# Altium PCB PCB.PcbDoc (part 2 of 2)
Units mm, origin at the board's own origin, x right, y up, seen from the top; angles counter-clockwise.
Board outline 303.55 x 94.72 mm, 2 copper layers (Top Layer, Bottom Layer), stack 1.57 mm thick; 199 components, 122 nets, 721 pads, 155 vias.
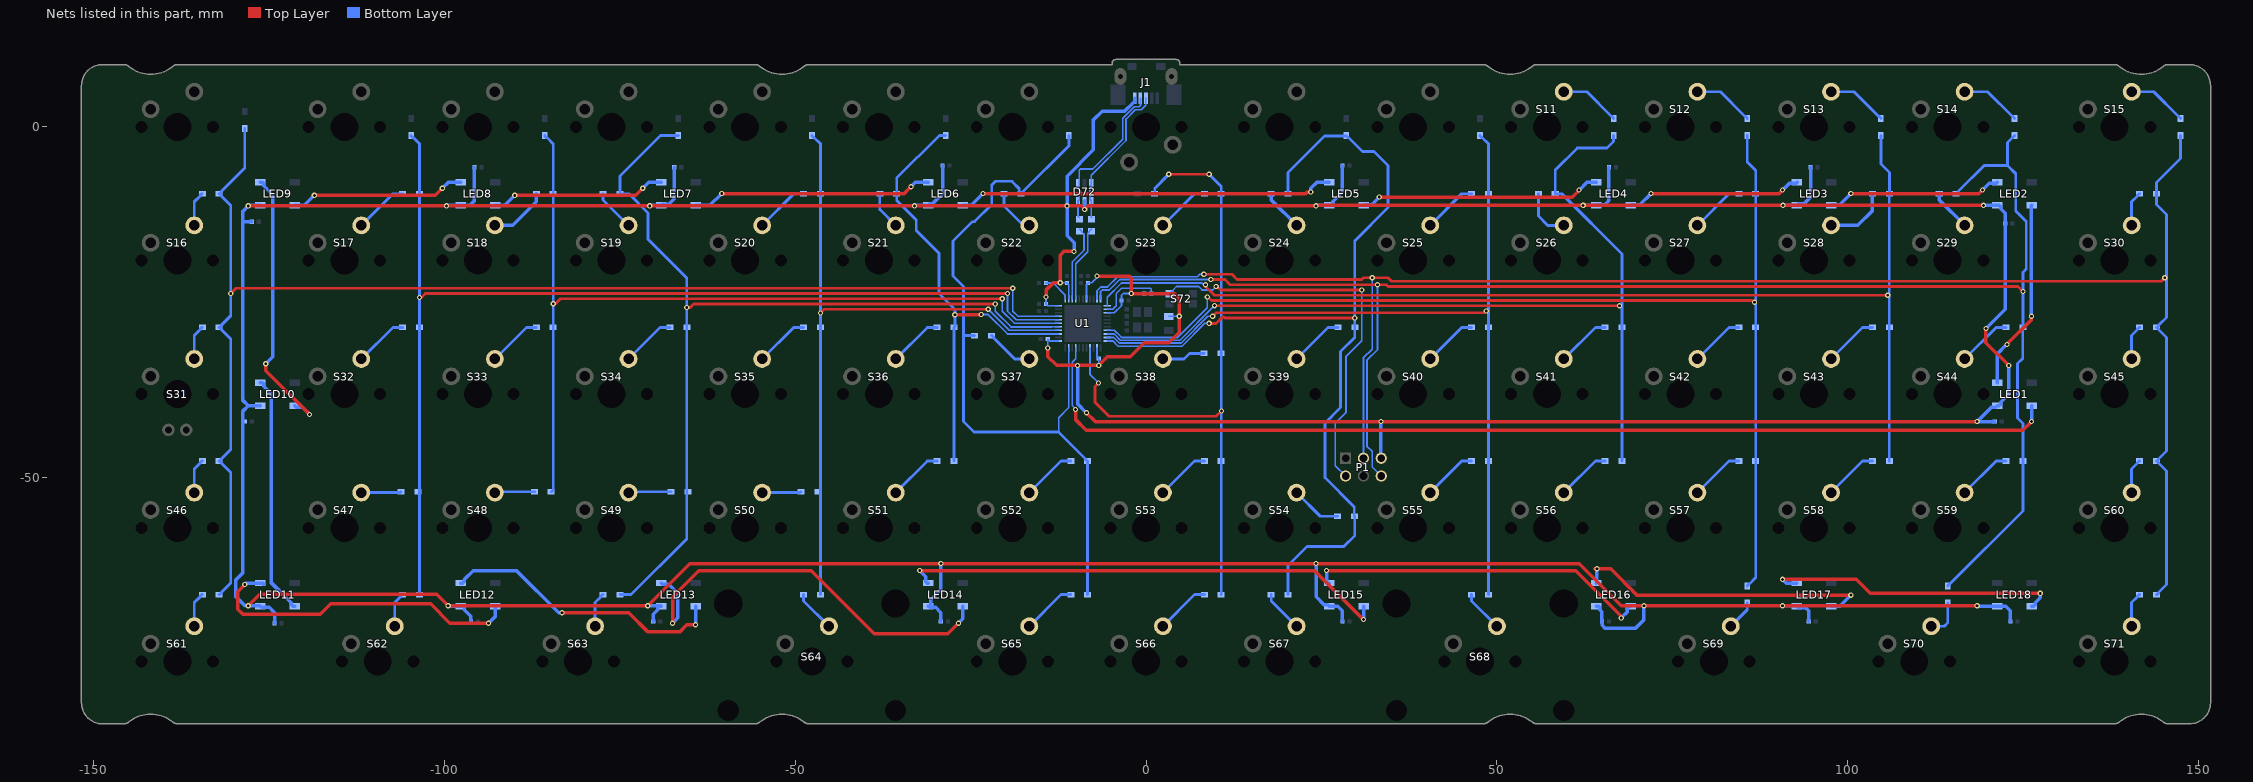
[diagram p2: the nets of this part, all layers, seen from the top]

## Via types
v1: diameter 0.75, hole 0.4, Top Layer to Bottom Layer, 139 vias
v2: diameter 0.7, hole 0.3, Top Layer to Bottom Layer, 16 vias

## Nets (pads, with @x,y where several pads share a name; then routed paths per layer and width w, separated by ;. In a path a pad name is that pad's centre, name@x,y a point inside that pad or via, vN(x,y) a via of type N, cw(c..) or ccw(c..) an arc to the next point about the centre after c; other vN are vias at no path point) (continued)
NetD11_1: D11.1 S11.2 | length 8.7
  Bottom Layer w0.4: S11.2@59.569,5.021 62.854,5.021 66.375,1.5 66.475,1.5 66.675,1.3 D11.1@66.675,1.2
NetD12_1: D12.1 S12.2 | length 8.7
  Bottom Layer w0.4: S12.2@78.619,5.021 81.904,5.021 85.425,1.5 85.525,1.5 85.725,1.3 D12.1@85.725,1.2
NetD13_1: D13.1 S13.2 | length 8.7
  Bottom Layer w0.4: S13.2@97.669,5.021 100.954,5.021 104.475,1.5 104.575,1.5 104.775,1.3 D13.1@104.775,1.2
NetD14_1: D14.1 S14.2 | length 8.7
  Bottom Layer w0.4: S14.2@116.719,5.021 120.004,5.021 123.525,1.5 123.625,1.5 123.825,1.3 D14.1@123.825,1.2
NetD15_1: D15.1 S15.2 | length 8.6
  Bottom Layer w0.4: S15.2@140.531,5.021 143.679,5.021 147.2,1.5 147.3,1.5 147.5,1.3 D15.1@147.5,1.2
NetD16_1: D16.1 S16.2 | length 5
  Bottom Layer w0.4: S16.2@-135.694,-14.029 -135.694,-10.669 -134.85,-9.825 -134.85,-9.725 -134.65,-9.525 D16.1@-134.55,-9.525
NetD17_1: D17.1 S17.2 | length 7.8
  Bottom Layer w0.4: S17.2@-111.881,-14.029 -107.377,-9.525 D17.1@-105.975,-9.525
NetD18_1: D18.1 S18.2 | length 8.4
  Bottom Layer w0.5: S18.2@-92.831,-14.029 -90.279,-14.029 -86.925,-10.675 D18.1@-86.925,-9.525
NetD19_1: D19.1 S19.2 | length 6
  Bottom Layer w0.4: D19.1@-77.4,-9.525 -77.4,-10.41 S19.2@-73.781,-14.029
NetD20_1: D20.1 S20.2 | length 7.8
  Bottom Layer w0.4: S20.2@-54.731,-14.029 -50.227,-9.525 D20.1@-48.825,-9.525
NetD21_1: D21.1 S21.2 | length 5.5
  Bottom Layer w0.4: D21.1@-37.95,-9.5 -37.95,-11.76 S21.2@-35.681,-14.029
NetD22_1: D22.1 S22.2 | length 6.5
  Bottom Layer w0.4: D22.1@-20.25,-9.525 -20.25,-11.25 -17.88,-13.62 -17.041,-13.62 S22.2@-16.631,-14.029
NetD23_1: D23.1 S23.2 | length 7.8
  Bottom Layer w0.4: S23.2@2.419,-14.029 6.923,-9.525 D23.1@8.325,-9.525
NetD24_1: D24.1 S24.2 | length 6
  Bottom Layer w0.5: D24.1@17.85,-9.525 17.85,-10.41 S24.2@21.469,-14.029
NetD25_1: D25.1 S25.2 | length 7.8
  Bottom Layer w0.4: S25.2@40.519,-14.029 45.023,-9.525 D25.1@46.425,-9.525
NetD26_1: D26.1 S26.2 | length 7.3
  Bottom Layer w0.4: D26.1@55.95,-9.525 55.95,-12.7 57.279,-14.029 S26.2@59.569,-14.029
NetD27_1: D27.1 S27.2 | length 7.8
  Bottom Layer w0.4: S27.2@78.619,-14.029 83.123,-9.525 D27.1@84.525,-9.525
NetD28_1: D28.1 S28.2 | length 9.2
  Bottom Layer w0.5: S28.2@97.669,-14.029 101.471,-14.029 103.575,-11.925 D28.1@103.575,-9.525
NetD29_1: D29.1 S29.2 | length 6
  Bottom Layer w0.5: D29.1@113.1,-9.525 113.1,-10.41 S29.2@116.719,-14.029
NetD30_1: D30.1 S30.2 | length 5
  Bottom Layer w0.4: S30.2@140.531,-14.029 140.531,-10.669 141.375,-9.825 141.375,-9.725 141.575,-9.525 D30.1@141.675,-9.525
NetD31_1: D31.1 S31.2 | length 5
  Bottom Layer w0.4: S31.2@-135.694,-33.079 -135.694,-29.719 -134.85,-28.875 -134.85,-28.775 -134.65,-28.575 D31.1@-134.55,-28.575
NetD32_1: D32.1 S32.2 | length 7.8
  Bottom Layer w0.4: S32.2@-111.881,-33.079 -107.377,-28.575 D32.1@-105.975,-28.575
NetD33_1: D33.1 S33.2 | length 7.8
  Bottom Layer w0.4: S33.2@-92.831,-33.079 -88.327,-28.575 D33.1@-86.925,-28.575
NetD34_1: D34.1 S34.2 | length 7.8
  Bottom Layer w0.4: S34.2@-73.781,-33.079 -69.277,-28.575 D34.1@-67.875,-28.575
NetD35_1: D35.1 S35.2 | length 7.8
  Bottom Layer w0.4: S35.2@-54.731,-33.079 -50.227,-28.575 D35.1@-48.825,-28.575
NetD36_1: D36.1 S36.2 | length 7.8
  Bottom Layer w0.4: S36.2@-35.681,-33.079 -31.177,-28.575 D36.1@-29.775,-28.575
NetD37_1: D37.1 S37.2 | length 6.9
  Bottom Layer w0.4: D37.1@-22.05,-29.75 -21.95,-29.75 -21.75,-29.95 -21.75,-30.05 -18.721,-33.079 S37.2@-16.631,-33.079
NetD38_1: D38.1 S38.2 | length 6.2
  Bottom Layer w0.4: S38.2@2.419,-33.079 5.421,-33.079 6.197,-32.303 8.247,-32.303 D38.1@8.3,-32.25
NetD39_1: D39.1 S39.2 | length 7.8
  Bottom Layer w0.4: S39.2@21.469,-33.079 25.973,-28.575 D39.1@27.375,-28.575
NetD40_1: D40.1 S40.2 | length 7.8
  Bottom Layer w0.4: S40.2@40.519,-33.079 45.023,-28.575 D40.1@46.425,-28.575
NetD41_1: D41.1 S41.2 | length 7.8
  Bottom Layer w0.4: S41.2@59.569,-33.079 64.073,-28.575 D41.1@65.475,-28.575
NetD42_1: D42.1 S42.2 | length 7.8
  Bottom Layer w0.4: S42.2@78.619,-33.079 83.123,-28.575 D42.1@84.525,-28.575
NetD43_1: D43.1 S43.2 | length 7.8
  Bottom Layer w0.4: S43.2@97.669,-33.079 102.173,-28.575 D43.1@103.575,-28.575
NetD44_1: D44.1 S44.2 | length 7.8
  Bottom Layer w0.4: S44.2@116.719,-33.079 121.223,-28.575 D44.1@122.625,-28.575
NetD45_1: D45.1 S45.2 | length 5
  Bottom Layer w0.4: S45.2@140.531,-33.079 140.531,-29.719 141.375,-28.875 141.375,-28.775 141.575,-28.575 D45.1@141.675,-28.575
NetD46_1: D46.1 S46.2 | length 5
  Bottom Layer w0.4: S46.2@-135.694,-52.129 -135.694,-48.769 -134.85,-47.925 -134.85,-47.825 -134.65,-47.625 D46.1@-134.55,-47.625
NetD47_1: D47.1 S47.2 | length 5.7
  Bottom Layer w0.4: S47.2@-111.881,-52.129 -106.329,-52.129 D47.1@-106.2,-52
NetD48_1: D48.1 S48.2 | length 5.7
  Bottom Layer w0.4: S48.2@-92.831,-52.129 -92.702,-52 D48.1@-87.2,-52
NetD49_1: D49.1 S49.2 | length 6.1
  Bottom Layer w0.4: S49.2@-73.781,-52.129 -73.652,-52 D49.1@-67.7,-52
NetD50_1: D50.1 S50.2 | length 5.6
  Bottom Layer w0.4: S50.2@-54.731,-52.129 -49.329,-52.129 D50.1@-49.2,-52
NetD51_1: D51.1 S51.2 | length 7.8
  Bottom Layer w0.4: S51.2@-35.681,-52.129 -31.177,-47.625 D51.1@-29.775,-47.625
NetD52_1: D52.1 S52.2 | length 7.8
  Bottom Layer w0.4: S52.2@-16.631,-52.129 -12.127,-47.625 D52.1@-10.725,-47.625
NetD53_1: D53.1 S53.2 | length 7.8
  Bottom Layer w0.4: S53.2@2.419,-52.129 6.923,-47.625 D53.1@8.325,-47.625
NetD54_1: D54.1 S54.2 | length 7.2
  Bottom Layer w0.4: S54.2@21.469,-52.129 24.84,-55.5 D54.1@27.3,-55.5
NetD55_1: D55.1 S55.2 | length 7.8
  Bottom Layer w0.4: S55.2@40.519,-52.129 45.023,-47.625 D55.1@46.425,-47.625
NetD56_1: D56.1 S56.2 | length 7.8
  Bottom Layer w0.4: S56.2@59.569,-52.129 64.073,-47.625 D56.1@65.475,-47.625
NetD57_1: D57.1 S57.2 | length 7.8
  Bottom Layer w0.4: S57.2@78.619,-52.129 83.123,-47.625 D57.1@84.525,-47.625
NetD58_1: D58.1 S58.2 | length 7.8
  Bottom Layer w0.4: S58.2@97.669,-52.129 102.173,-47.625 D58.1@103.575,-47.625
NetD59_1: D59.1 S59.2 | length 7.8
  Bottom Layer w0.4: S59.2@116.719,-52.129 121.223,-47.625 D59.1@122.625,-47.625
NetD60_1: D60.1 S60.2 | length 5
  Bottom Layer w0.4: S60.2@140.531,-52.129 140.531,-48.769 141.375,-47.925 141.375,-47.825 141.575,-47.625 D60.1@141.675,-47.625
NetD61_1: D61.1 S61.2 | length 5
  Bottom Layer w0.4: S61.2@-135.694,-71.179 -135.694,-67.819 -134.85,-66.975 -134.85,-66.875 -134.65,-66.675 D61.1@-134.55,-66.675
NetD62_1: D62.1 S62.2 | length 5
  Bottom Layer w0.4: S62.2@-107.119,-71.179 -107.119,-67.819 -106.275,-66.975 -106.275,-66.875 -106.075,-66.675 D62.1@-105.975,-66.675
NetD63_1: D63.1 S63.2 | length 5
  Bottom Layer w0.4: S63.2@-78.544,-71.179 -78.544,-67.819 -77.7,-66.975 -77.7,-66.875 -77.5,-66.675 D63.1@-77.4,-66.675
NetD64_1: D64.1 S64.2 | length 6
  Bottom Layer w0.4: D64.1@-48.825,-66.675 -48.825,-67.56 S64.2@-45.206,-71.179
NetD65_1: D65.1 S65.2 | length 7.8
  Bottom Layer w0.4: S65.2@-16.631,-71.179 -12.127,-66.675 D65.1@-10.725,-66.675
NetD66_1: D66.1 S66.2 | length 7.8
  Bottom Layer w0.4: S66.2@2.419,-71.179 6.923,-66.675 D66.1@8.325,-66.675
NetD67_1: D67.1 S67.2 | length 6
  Bottom Layer w0.4: D67.1@17.85,-66.675 17.85,-67.56 S67.2@21.469,-71.179
NetD68_1: D68.1 S68.2 | length 6
  Bottom Layer w0.4: D68.1@46.425,-66.675 46.425,-67.56 S68.2@50.044,-71.179
NetD69_1: D69.1 S69.2 | length 4.3
  Bottom Layer w0.4: S69.2@83.381,-71.179 85.725,-68.836 D69.1@85.725,-67.875
NetD70_1: D70.1 S70.2 | length 5.4
  Bottom Layer w0.4: S70.2@111.956,-71.179 113.821,-71.179 114.3,-70.7 D70.1@114.3,-67.875
NetD71_1: D71.1 S71.2 | length 5
  Bottom Layer w0.4: S71.2@140.531,-71.179 140.531,-67.819 141.375,-66.975 141.375,-66.875 141.575,-66.675 D71.1@141.675,-66.675
NetLED1_2: LED1.2 LED2.4 | length 27.3
  Top Layer w0.5: v1(122.75,-31) 126.25,-27.5 v1(126.25,-27)
  Bottom Layer w0.5: LED1.2@121.375,-36.45 121.375,-32.375 v1(122.75,-31) ; v1(126.25,-27) 126.25,-11.2 LED2.4@126.275,-11.175
NetLED2_2: LED2.2 LED3.4 | length 25
  Top Layer w0.5: v1(100.5,-9.5) 118.75,-9.5 v1(119.25,-9)
  Bottom Layer w0.5: LED3.4@97.7,-11.175 97.768,-11.107 98.893,-11.107 v1(100.5,-9.5) ; v1(119.25,-9) 120.245,-8.005 121.245,-8.005 LED2.2@121.375,-7.875
NetLED3_2: LED3.2 LED4.4 | length 25
  Top Layer w0.5: v1(72,-9.5) 90.25,-9.5 v1(90.75,-9)
  Bottom Layer w0.5: LED4.4@69.2,-11.175 69.268,-11.107 70.393,-11.107 v1(72,-9.5) ; v1(90.75,-9) 91.745,-8.005 92.745,-8.005 LED3.2@92.875,-7.875
NetLED4_2: LED4.2 LED5.4 | length 34.6
  Top Layer w0.5: v1(33.25,-10) 60.75,-10 v1(61.75,-9)
  Bottom Layer w0.5: LED5.4@31.025,-11.175 31.13,-11.07 32.18,-11.07 v1(33.25,-10) ; v1(61.75,-9) 62.875,-7.875 LED4.2@64.225,-7.875
NetLED5_2: LED5.2 LED6.4 | length 53.9
  Top Layer w0.5: v1(-23.25,-9.5) 22.75,-9.5 22.927,-9.323 23.452,-9.323 v1(23.5,-9.275)
  Bottom Layer w0.5: LED6.4@-26.125,-11.175 -26.118,-11.168 -24.918,-11.168 v1(-23.25,-9.5) ; v1(23.5,-9.275) 23.5,-8.75 24.375,-7.875 LED5.2@26.125,-7.875
NetLED6_2: LED6.2 LED7.4 | length 34.6
  Top Layer w0.5: v1(-60.5,-9.5) -34.5,-9.5 -33.525,-8.525 v1(-33.5,-8.525)
  Bottom Layer w0.5: LED7.4@-64.225,-11.175 -62.175,-11.175 v1(-60.5,-9.5) ; v1(-33.5,-8.525) -33.5,-8.5 -32.875,-7.875 LED6.2@-31.025,-7.875
NetLED7_2: LED7.2 LED8.4 | length 25
  Top Layer w0.5: v1(-90,-9.75) -72.75,-9.75 v1(-71.75,-8.75)
  Bottom Layer w0.5: LED8.4@-92.8,-11.175 -91.425,-11.175 v1(-90,-9.75) ; v1(-71.75,-8.75) -70.875,-7.875 LED7.2@-69.125,-7.875
NetLED8_2: LED8.2 LED9.4 | length 25
  Top Layer w0.5: v1(-118.575,-9.75) -101.325,-9.75 v1(-100.325,-8.75)
  Bottom Layer w0.5: LED9.4@-121.375,-11.175 -120,-11.175 v1(-118.575,-9.75) ; v1(-100.325,-8.75) -99.45,-7.875 LED8.2@-97.7,-7.875
NetLED9_2: LED9.2 LED10.4 | length 39.7
  Top Layer w0.5: v1(-125.5,-33.75) -125.5,-34.75 v1(-119.25,-41)
  Bottom Layer w0.5: LED9.2@-126.275,-7.875 -125.975,-7.875 -125.775,-8.075 -125.775,-8.375 -124.5,-9.65 -124.5,-32.75 v1(-125.5,-33.75) ; LED10.4@-121.375,-39.75 -121.182,-39.943 -120.307,-39.943 v1(-119.25,-41)
NetLED10_2: LED10.2 LED11.4 | length 34.3
  Bottom Layer w0.5: LED10.2@-126.275,-36.45 -125.975,-36.45 -125.775,-36.65 -125.775,-36.95 -124.75,-37.975 -124.75,-64.95 -121.875,-67.825 -121.875,-68.125 -121.675,-68.325 LED11.4@-121.375,-68.325
NetLED11_2: LED11.2 LED12.4 | length 47.5
  Top Layer w0.5: v1@-128.5,-65.25 -129.5,-66.25 -129.5,-68.75 -128.75,-69.5 -117.75,-69.5 -116.25,-68 -102,-68 -99.25,-70.75 v1(-93.75,-70.75)
  Bottom Layer w0.5: v1@-128.5,-65.25 -128.275,-65.025 LED11.2@-126.275,-65.025 -125.975,-65.025 LED11.2@-125.775,-65.225 ; v1(-93.75,-70.75) -92.8,-69.8 LED12.4@-92.8,-68.325
  other v1: -128.493,-65.243
NetLED12_2: LED12.2 LED13.4 | length 41.1
  Top Layer w0.5: v1(-83.25,-69.25) -73.75,-69.25 -71,-72 -66.5,-72 -65.475,-70.975 v1(-64.225,-70.975)
  Bottom Layer w0.5: LED12.2@-97.7,-65.025 -97.4,-65.025 -97.2,-64.825 -97.2,-64.525 -95.925,-63.25 -89.75,-63.25 -83.75,-69.25 v1(-83.25,-69.25) ; v1(-64.225,-70.975) LED13.4@-64.225,-68.325
NetLED13_2: LED13.2 LED14.4 | length 60.6
  Top Layer w0.5: v1(-67.5,-70.75) -67.5,-67 -63.75,-63.25 -47.75,-63.25 -38.75,-72.25 -28.25,-72.25 v1(-26.75,-70.75)
  Bottom Layer w0.5: LED13.2@-69.125,-65.025 -68.945,-65.205 -68.045,-65.205 -66.75,-66.5 -66.75,-70 v1(-67.5,-70.75) ; v1(-26.75,-70.75) -26.125,-70.125 LED14.4@-26.125,-68.325
NetLED14_2: LED14.2 LED15.4 | length 70.5
  Top Layer w0.5: v1(-32.25,-63.25) 24.025,-63.25 v1(31.013,-70.237)
  Bottom Layer w0.5: v1(-32.25,-63.25) -31.38,-64.12 -31.38,-64.825 -31.18,-65.025 LED14.2@-31.025,-65.025 ; v1@31,-70.25 v1(31.013,-70.237) 31.025,-70.225 LED15.4@31.025,-68.325
NetLED15_2: LED15.2 LED16.4 | length 49.4
  Top Layer w0.5: v1(25.75,-63.25) 61.25,-63.25 67.702,-69.702 67.702,-69.952 v1(67.75,-70)
  Bottom Layer w0.5: v1(25.75,-63.25) 25.75,-64.825 25.95,-65.025 LED15.2@26.125,-65.025 ; v1(67.75,-70) 68.645,-69.105 68.645,-68.525 68.845,-68.325 LED16.4@69.125,-68.325
NetLED16_2: LED16.2 LED17.4 | length 43.6
  Top Layer w0.5: v1@64,-63 v1(64.294,-63) 66.25,-63 70,-66.75 v1(100.5,-66.75)
  Bottom Layer w0.5: LED16.2@64.225,-65.025 64.294,-64.956 v1(64.294,-63) ; LED17.4@97.7,-68.325 98.925,-68.325 v1(100.5,-66.75)
NetLED17_2: LED17.2 LED18.4 | length 42.4
  Top Layer w0.5: v1(90.75,-64.5) 101.25,-64.5 103.25,-66.5 v1(127.5,-66.5)
  Bottom Layer w0.5: v1(90.75,-64.5) 91.275,-65.025 LED17.2@92.8,-65.025 ; LED18.4@126.275,-68.325 126.575,-68.325 126.775,-68.125 126.775,-67.825 127.5,-67.1 v1(127.5,-66.5)
NetR4_1: R4.1 U1.1 | length 4
  Bottom Layer w0.25: R4.1@-14.25,-22.25 -13.25,-22.25 -11.5,-24 U1.1@-11.5,-24.525
R0: D1.2 D16.2 D31.2 D46.2 D61.2 U1.41 | length 194.1
  Top Layer w0.4: v1(-130.5,-23.733) -129.767,-23 v1(-19,-23)
  Bottom Layer w0.25: v1(-19,-23) -19,-26.25 -18.25,-27 U1.41@-12.475,-27
  Bottom Layer w0.4: D61.2@-132.15,-66.675 -132.05,-66.675 -131.85,-66.475 -131.85,-66.375 -130.5,-65.025 -130.5,-49.275 -131.85,-47.925 -131.85,-47.825 D46.2@-132.05,-47.625 ; D46.2@-132.15,-47.625 D46.2@-132.05,-47.625 ; D31.2@-132.15,-28.575 D31.2@-132.05,-28.575 ; D16.2@-132.15,-9.525 D16.2@-132.05,-9.525 ; D1.2@-128.5,-0.2 -128.5,-5.875 -131.85,-9.225 -131.85,-9.325 D16.2@-132.05,-9.525 ; D46.2@-132.05,-47.625 -131.85,-47.425 -131.85,-47.325 -130.5,-45.975 -130.5,-30.225 -131.85,-28.875 -131.85,-28.775 D31.2@-132.05,-28.575 ; D31.2@-132.05,-28.575 -131.85,-28.375 -131.85,-28.275 -130.5,-26.925 v1(-130.5,-23.733) -130.5,-11.175 -131.85,-9.825 -131.85,-9.725 D16.2@-132.05,-9.525
R1: D2.2 D17.2 D32.2 D47.2 D62.2 U1.40 | length 160.4
  Top Layer w0.4: v1(-103.575,-24.324) -103.324,-24.324 -102.75,-23.75 v1(-19.75,-23.75)
  Bottom Layer w0.25: v1(-19.75,-23.75) -19.75,-26.25 -18.5,-27.5 U1.40@-12.475,-27.5
  Bottom Layer w0.4: D2.2@-104.775,-1.2 -104.775,-1.3 -104.575,-1.5 -104.475,-1.5 -103.575,-2.4 D17.2@-103.575,-9.525 v1(-103.575,-24.324) D32.2@-103.575,-28.575 -103.575,-47.625 -103.575,-54.5 D62.2@-103.575,-66.675
R2: D3.2 D18.2 D33.2 D48.2 U1.39 | length 126.3
  Top Layer w0.4: v1(-84.525,-25.208) -84.208,-25.208 -83.5,-24.5 v1(-20.5,-24.5)
  Bottom Layer w0.25: v1(-20.5,-24.5) -20.5,-26.25 -18.75,-28 U1.39@-12.475,-28
  Bottom Layer w0.4: D3.2@-85.725,-1.2 -85.725,-1.3 -85.525,-1.5 -85.425,-1.5 -84.525,-2.4 D18.2@-84.525,-9.525 v1(-84.525,-25.208) D33.2@-84.525,-28.575 -84.525,-51.8 -84.725,-52 D48.2@-84.8,-52
R3: D4.2 D19.2 D34.2 D49.2 D63.2 U1.38 | length 135.1
  Top Layer w0.4: v1(-65.475,-25.732) -64.982,-25.732 -64.5,-25.25 v1(-21.5,-25.25)
  Bottom Layer w0.25: v1(-21.5,-25.25) -21.5,-26.25 -19.242,-28.508 -13.442,-28.508 -13.434,-28.5 U1.38@-12.475,-28.5
  Bottom Layer w0.4: D63.2@-75,-66.675 -73.425,-66.675 -65.475,-58.725 -65.475,-53 -65.475,-47.625 D34.2@-65.475,-28.575 v1(-65.475,-25.732) -65.475,-21.525 -71,-16 -71,-12.25 -73.725,-9.525 D19.2@-75,-9.525 -75,-7 -69.2,-1.2 D4.2@-66.675,-1.2
R4: D5.2 D20.2 D35.2 D50.2 D64.2 U1.37 | length 101.4
  Top Layer w0.4: v1(-46.425,-26.525) -45.9,-26 v1(-22.5,-26)
  Bottom Layer w0.25: v1(-22.5,-26) -19.5,-29 U1.37@-12.475,-29
  Bottom Layer w0.4: D5.2@-47.625,-1.2 -47.625,-1.3 -47.425,-1.5 -47.325,-1.5 -46.425,-2.4 D20.2@-46.425,-9.525 v1(-46.425,-26.525) D35.2@-46.425,-28.575 -46.425,-47.625 -46.425,-54 D64.2@-46.425,-66.675
R5: D6.2 D21.2 D36.2 D51.2 U1.36 | length 69.2
  Top Layer w0.5: v1(-27.25,-26.768) -27.232,-26.75 v1(-23.5,-26.75)
  Bottom Layer w0.25: v1(-23.5,-26.75) -22.5,-26.75 -19.75,-29.5 U1.36@-12.475,-29.5
  Bottom Layer w0.4: D6.2@-28.575,-1.2 -29.45,-1.2 -35.55,-7.3 D21.2@-35.55,-9.5 -35.55,-10.45 -32.75,-13.25 -32.75,-14.75 -29.5,-18 -29.5,-23.75 -27.25,-26 v1(-27.25,-26.768) -27.25,-28.45 D36.2@-27.375,-28.575 D51.2@-27.375,-47.625
R6: D7.2 D22.2 D37.2 D52.2 D65.2 U1.32 | length 106.6
  Bottom Layer w0.25: -12.45,-43.5 -12.45,-41.45 -11,-40 U1.32@-11,-31.475
  Bottom Layer w0.4: D37.2@-24.45,-29.75 -25.943,-29.75 -26,-29.693 ; D7.2@-11,-1.2 -11,-2.675 -17.55,-9.225 -17.55,-9.325 -18.074,-9.325 -18.074,-8.801 -19.125,-7.75 -21.5,-7.75 -22,-8.25 -22,-11.062 -24.438,-13.5 -24.75,-13.5 -27.5,-16.25 -27.5,-21.25 -26,-22.75 -26,-29.693 ; D65.2@-8.325,-66.675 D52.2@-8.325,-47.625 -8.425,-47.625 -8.625,-47.425 -8.625,-47.325 -12.45,-43.5 -24.5,-43.5 -26,-42 -26,-29.693
R7: D8.2 D23.2 D38.2 D53.2 D66.2 U1.26 | length 97.8
  Top Layer w0.4: v1(-6.758,-36.5) -7.25,-36.992 -7.25,-39.258 -5.258,-41.25 10,-41.25 v1(10.75,-40.5) ; v1(3.25,-6.75) v1(9,-6.75)
  Bottom Layer w0.25: U1.26@-8,-31.475 -8,-35.258 v1(-6.758,-36.5)
  Bottom Layer w0.4: D8.2@1.2,-9.525 1.241,-9.484 1.241,-8.759 v1(3.25,-6.75) ; v1(9,-6.75) 10.725,-8.475 D23.2@10.725,-9.525 D38.2@10.725,-32.25 ; D38.2@10.7,-32.25 D38.2@10.725,-32.25 ; D66.2@10.725,-66.675 D53.2@10.725,-47.625 D38.2@10.725,-32.25 ; D38.2@10.8,-32.25 D38.2@10.725,-32.25
R8: D9.2 D24.2 D39.2 D54.2 D67.2 U1.22 | length 132.3
  Top Layer w0.4: v1(9,-28) 10,-28 10.95,-27.05 11.05,-27.05 11.25,-27.25 v1(29.75,-27.25)
  Bottom Layer w0.25: U1.22@-5.525,-30.5 -4.75,-30.5 -4,-31.25 5.131,-31.25 8.381,-28 v1(9,-28)
  Bottom Layer w0.4: D67.2@20.25,-66.675 20.25,-62.5 22.951,-59.799 28.201,-59.799 29.775,-58.225 29.775,-55.5 D54.2@29.7,-55.5 29.7,-54.2 25.5,-50 25.5,-42.25 27.75,-40 27.75,-32 29.775,-29.975 D39.2@29.775,-28.575 29.775,-16.225 34.5,-11.5 34.5,-5.5 32.5,-3.5 30.875,-3.5 28.875,-1.5 28.775,-1.5 28.575,-1.3 25.45,-1.3 20.25,-6.5 D24.2@20.25,-9.525
R9: D10.2 D25.2 D40.2 D55.2 D68.2 U1.21 | length 122.3
  Top Layer w0.4: v1(9.5,-27) 10,-26.5 48.155,-26.5 48.405,-26.25 v1(48.5,-26.25)
  Bottom Layer w0.25: U1.21@-5.525,-30 -4.631,-30 -3.831,-30.8 5.016,-30.8 8.816,-27 v1(9.5,-27)
  Bottom Layer w0.4: D10.2@47.625,-1.2 47.625,-1.3 47.825,-1.5 47.925,-1.5 48.825,-2.4 D25.2@48.825,-9.525 D40.2@48.825,-28.575 D55.2@48.825,-47.625 D68.2@48.825,-66.675
R10: D11.2 D26.2 D41.2 D56.2 U1.20 | length 132.3
  Top Layer w0.4: v1(9.75,-25.475) 9.775,-25.5 v1(67.5,-25.5)
  Bottom Layer w0.25: U1.20@-5.525,-29.5 -4.566,-29.5 -3.666,-30.4 4.85,-30.4 9.75,-25.5 v1(9.75,-25.475)
  Bottom Layer w0.4: D11.2@66.675,-1.2 66.675,-2.075 65.75,-3 61.5,-3 58.35,-6.15 D26.2@58.35,-9.525 59.275,-9.525 67.875,-18.125 D41.2@67.875,-28.575 D56.2@67.875,-47.625
R11: D12.2 D27.2 D42.2 D57.2 D69.2 U1.19 | length 161.6
  Top Layer w0.4: v1(8.75,-24.25) 8.845,-24.25 9.345,-24.75 86.405,-24.75 86.655,-25 v1(86.75,-25)
  Bottom Layer w0.25: U1.19@-5.525,-29 -4.5,-29 -3.5,-30 4.5,-30 8.75,-25.75 v1(8.75,-24.25)
  Bottom Layer w0.4: D69.2@85.725,-65.475 85.725,-65.375 85.925,-65.175 86.025,-65.175 86.925,-64.275 D57.2@86.925,-47.625 D42.2@86.925,-28.575 D27.2@86.925,-9.525 86.925,-6.175 85.725,-4.975 D12.2@85.725,-1.2
R12: D13.2 D28.2 D43.2 D58.2 U1.12 | length 161.2
  Top Layer w0.4: v1(8.5,-22.5) 8.567,-22.567 8.567,-22.817 9.75,-24 v1(105.75,-24)
  Bottom Layer w0.25: U1.12@-5.525,-25.5 -5.525,-24.275 -3.5,-22.25 7.99,-22.25 8.144,-22.404 8.404,-22.404 v1(8.5,-22.5)
  Bottom Layer w0.4: D13.2@104.775,-1.2 104.775,-5.275 106,-6.5 106,-9.5 D28.2@105.975,-9.525 D43.2@105.975,-28.575 D58.2@105.975,-47.625
R13: D14.2 D29.2 D44.2 D59.2 D70.2 P1.6 U1.11 | length 243
  Top Layer w0.4: v1(9.25,-21.75) 11.25,-21.75 12,-22.5 32.655,-22.5 v1(33,-22.5) 34.25,-22.5 34.5,-22.75 124.306,-22.75 v1(125.025,-23.469)
  Bottom Layer w0.25: U1.11@-6.5,-24.525 -6.5,-23.5 -6.25,-23.25 -5.25,-23.25 -3.75,-21.75 v1(9.25,-21.75) ; v1(33,-22.5) 33,-31.75 31.5,-33.25 31.5,-45.5 32.25,-46.25 32.25,-48.48 P1.6@33.54,-49.77
  Bottom Layer w0.4: D70.2@114.3,-65.475 114.3,-65.375 114.5,-65.175 114.6,-65.175 125.025,-54.75 D59.2@125.025,-47.625 125.025,-42.275 124.25,-41.5 124.25,-33.75 125,-33 125,-28.6 D44.2@125.025,-28.575 v1(125.025,-23.469) 125.025,-20.725 125.5,-20.25 125.5,-13.5 124,-12 124,-6.679 122.821,-5.5 ; D29.2@115.5,-9.525 115.6,-9.525 115.8,-9.325 115.8,-9.225 119.525,-5.5 122.821,-5.5 ; D14.2@123.825,-1.2 123.825,-1.3 123.625,-1.5 123.525,-1.5 122.821,-2.204 122.821,-5.5
R14: D15.2 D30.2 D45.2 D60.2 D71.2 P1.3 U1.10 | length 252.1
  Top Layer w0.4: v1(8.25,-21) 12.25,-21 13,-21.75 30.75,-21.75 31,-21.5 v1(32.25,-21.5) 34.5,-21.5 35,-22 144.75,-22 v1(145.25,-21.5)
  Bottom Layer w0.25: U1.10@-7,-24.525 -7,-23.381 -6.434,-22.816 -5.5,-22.816 -4.034,-21.35 7.34,-21.35 7.69,-21 v1(8.25,-21) ; P1.3@31,-47.23 31,-32.916 32.25,-31.666 v1(32.25,-21.5) v1@32.25,-21.385
  Bottom Layer w0.4: D71.2@144.075,-66.675 144.175,-66.675 144.375,-66.475 144.375,-66.375 145.5,-65.25 145.5,-49.05 144.375,-47.925 144.375,-47.825 D60.2@144.175,-47.625 ; D60.2@144.075,-47.625 D60.2@144.175,-47.625 ; D45.2@144.075,-28.575 D45.2@144.175,-28.575 ; D15.2@147.5,-1.2 147.5,-4.5 144.075,-7.925 144.075,-11.075 145.5,-12.5 145.5,-27.15 144.375,-28.275 144.375,-28.375 D45.2@144.175,-28.575 ; D60.2@144.175,-47.625 144.375,-47.425 144.375,-47.325 145.5,-46.2 145.5,-30 144.375,-28.875 144.375,-28.775 D45.2@144.175,-28.575
RST: P1.2 R3.1 S72.2 U1.13 | length 69
  Top Layer w0.25: v1(10,-22.75) 10.135,-22.75 10.385,-23
  Top Layer w0.4: 10.385,-23 10.635,-23.25 v1(30.75,-23.25)
  Bottom Layer w0.25: U1.13@-5.525,-26 -4.75,-26 -4.25,-25.5 -4.25,-23.75 -3.5,-23 0.604,-23 0.75,-23.146 R3.1@0.75,-23.75 3.3,-23.75 S72.2@3.325,-23.775 3.375,-23.775 3.775,-23.375 3.775,-23.325 4.35,-22.75 7.5,-22.75 8,-23.25 9.5,-23.25 v1(10,-22.75) ; P1.2@28.46,-49.77 27,-48.31 27,-42.25 28.5,-40.75 28.5,-32.75 30.75,-30.5 v1(30.75,-23.25)
USB2_N: R1.2 U1.3 | length 10.9
  Bottom Layer w0.25: U1.3@-10.5,-24.525 -10.5,-19.25 -8.844,-17.594 -8.844,-15.256 -9.125,-14.975 -9.125,-14.925 -9.45,-14.6 R1.2@-9.5,-14.6
USB2_P: R2.2 U1.4 | length 10.9
  Bottom Layer w0.25: U1.4@-10,-24.525 -10,-19.5 -8.305,-17.805 -8.305,-15.155 -8.125,-14.975 -8.125,-14.925 -7.8,-14.6 R2.2@-7.75,-14.6
USB_N: D72.1 D72.6 J1.2 R1.1 | length 22.2
  Bottom Layer w0.25: D72.6@-9.7,-10.5 -9.7,-12.7 R1.1@-9.5,-12.9 ; D72.6@-9.5,-10.5 -9.5,-8 -9.5,-6.146 -9.354,-6 -7.586,-6 -3.323,-1.737 -3.323,1.238 -1.689,2.872 -0.946,2.872 -0.8,3.018 J1.2@-0.8,4.1
USB_P: D72.3 D72.4 J1.3 R2.1 | length 20.9
  Bottom Layer w0.25: R2.1@-7.75,-12.9 -7.8,-12.85 D72.4@-7.8,-10.5 -7.975,-10.325 -7.975,-9.954 -8,-9.929 -8,-8.45 -7.8,-8.25 D72.3@-7.8,-8 -7.8,-6.871 -2.856,-1.927 -2.856,1.124 -1.514,2.466 -0.659,2.466 -0.03,3.095 -0.03,4.07 J1.3@0,4.1
VCC_5V: C2.2 C5.2 C6.2 C7.2 C8.2 C10.2 C11.2 C12.2 C13.2 C14.2 C15.2 C16.2 C17.2 C18.2 C19.2 C20.2 C21.2 C22.2 C23.2 C24.2 C25.2 C26.2 C27.2 C28.2 C29.2 D72.5 J1.1 LED1.1 LED2.1 LED3.1 LED4.1 LED5.1 LED6.1 LED7.1 LED8.1 LED9.1 LED10.1 LED11.1 LED12.1 LED13.1 LED14.1 LED15.1 LED16.1 LED17.1 LED18.1 P1.5 R3.2 U1.2 U1.7 U1.14 U1.24 U1.34 U1.44 | length 963.2
  Top Layer w0.5: v1(-128,-68.25) -126.382,-66.632 -101.118,-66.632 v1(-99.5,-68.25) v1(-71.044,-68.25) -65.044,-62.25 v1(-29.25,-62.25) v1(24.25,-62.25) 61.75,-62.25 67.75,-68.25 v1(90.75,-68.25) v1(118.5,-68.25) ; v1(-128,-11.25) v1(-99.75,-11.25) v1(-70.75,-11.25) v1(-33,-11.25) v1(-11.25,-11.25) -9.25,-11.25 v1(-8.75,-11.75) -8.25,-11.25 v1(24.25,-11.25) ; v1(-14.25,-24.25) -14.25,-23.25 -13.193,-22.193 -12.25,-22.193 -12.25,-18.293 -11.707,-17.75 v1(-10.25,-17.75) ; v1(-14,-31.5) -14,-32.75 -12.75,-34 v1(-9.75,-34) v1(-6.75,-34) -5.5,-32.75 -2.25,-32.75 -0.25,-30.75 3.25,-30.75 4.75,-29.25 v1(4.75,-27) 4.75,-24.5 4,-23.75 v1(-2.089,-23.75) -2.089,-21.543 -2.382,-21.25 v1(-7,-21.25) ; v1(-8.5,-40.75) -7.25,-42 v1(33.5,-42) v1(118.5,-42) ; v1@24.325,-11.175 v1(62.325,-11.175) v1(90.825,-11.175) v1(119.425,-11.175) ; v1(119.75,-28.75) 119.75,-30.75 v1(123,-34)
  Bottom Layer w0.25: v1(-14.25,-24.25) C7.2@-14.25,-25.25 -14,-25.5 U1.44@-12.475,-25.5 ; v1(-14,-31.5) C6.2@-14,-30.25 -13.75,-30.5 U1.34@-12.475,-30.5 ; v1(-12.221,-22.221) -11.279,-22.221 C8.2@-11.25,-22.25 -11,-22.5 U1.2@-11,-24.525 ; U1.7@-8.5,-24.525 -8.5,-22.5 C5.2@-8.25,-22.25 -8.221,-22.221 -7.721,-22.221 -7,-21.5 v1(-7,-21.25) ; U1.24@-7,-31.475 -7,-32.75 C10.2@-6.75,-33 v1(-6.75,-34) ; U1.14@-5.525,-26.5 -4.5,-26.5 -3.5,-25.5 C11.2@-3.5,-24.75 -3.5,-24 -3.25,-23.75 v1(-2.089,-23.75) R3.2@-0.25,-23.75 ; C2.2@3.25,-27 v1(4.75,-27)
  Bottom Layer w0.5: v1(-128,-11.25) -128.75,-12 -128.75,-13.5 ; v1@-127.857,-11.175 LED9.1@-126.275,-11.175 ; C28.2@-127.5,-13.5 -128.75,-13.5 ; LED10.1@-126.275,-39.75 -128,-39.75 ; C21.2@-124.25,-70.75 -124.25,-69.25 -125,-68.5 -126.1,-68.5 LED11.1@-126.275,-68.325 -126.33,-68.27 -128.457,-68.27 -129.75,-66.977 -129.75,-64.541 -128.75,-63.541 -128.75,-40.5 -128,-39.75 ; v1(-99.75,-11.25) -99.682,-11.25 -99.607,-11.175 LED8.1@-97.7,-11.175 -96.425,-11.175 -95.75,-10.5 C29.2@-95.75,-5.75 ; v1(-99.5,-68.25) -99.432,-68.25 -99.357,-68.325 LED12.1@-97.7,-68.325 -97.4,-68.325 -97.2,-68.525 -97.2,-68.825 -96.25,-69.775 C18.2@-96.25,-70.5 ; v1(-71.044,-68.25) -69.2,-68.25 LED13.1@-69.125,-68.325 -69.425,-68.325 -69.625,-68.525 -69.625,-68.825 -70.25,-69.45 C19.2@-70.25,-70.5 ; v1(-70.75,-11.25) -70.682,-11.25 -70.607,-11.175 LED7.1@-69.125,-11.175 -68.97,-11.02 -68.02,-11.02 -67.25,-10.25 C26.2@-67.25,-5.75 ; v1(-33,-11.25) -32.932,-11.25 -32.857,-11.175 LED6.1@-31.025,-11.175 -30.825,-10.975 -30.475,-10.975 -29,-9.5 C22.2@-29,-5.5 ; C17.2@-29.25,-70.5 -29.25,-69.25 -30,-68.5 -30.85,-68.5 LED14.1@-31.025,-68.325 -30.87,-68.325 -30.67,-68.125 -30.67,-67.42 -29.25,-66 v1(-29.25,-62.25) ; v1(-10.25,-17.75) -10.25,-16.5 -11.25,-15.5 v1(-11.25,-11.25) -11.25,-7 -7.5,-3.25 -7.5,1 -6.25,2.25 -3.061,2.25 -1.761,3.55 -1.6,3.55 J1.1@-1.6,4.1 ; v1(-9.75,-34) -9.75,-39.5 v1(-8.5,-40.75) ; v1(-8.75,-11.75) D72.5@-8.75,-10.5 ; v1(24.25,-62.25) 24.25,-67 25.375,-68.125 25.925,-68.125 LED15.1@26.125,-68.325 26.132,-68.332 27.332,-68.332 28,-69 C13.2@28,-70.5 ; v1(24.25,-11.25) 24.318,-11.25 24.393,-11.175 LED5.1@26.125,-11.175 26.425,-11.175 26.625,-10.975 26.625,-10.675 28,-9.3 C23.2@28,-5.5 ; v1(33.5,-42) 33.5,-47.19 P1.5@33.54,-47.23 ; v1(62.325,-11.175) LED4.1@64.225,-11.175 64.305,-11.095 65.405,-11.095 66,-10.5 C24.2@66,-5.75 ; LED16.1@64.225,-68.325 64.525,-68.325 64.725,-68.525 64.725,-68.825 65,-69.1 C20.2@65,-70.5 65.05,-70.55 65.05,-71.05 65.5,-71.5 69.75,-71.5 71,-70.25 v1(71,-68.25) ; v1(90.75,-68.25) 92.725,-68.25 LED17.1@92.8,-68.325 93,-68.525 94.025,-68.525 94.5,-69 C14.2@94.5,-70.5 ; v1(90.825,-11.175) LED3.1@92.8,-11.175 93,-10.975 93.775,-10.975 94.75,-10 C25.2@94.75,-5.75 ; v1(118.5,-68.25) 118.568,-68.25 118.643,-68.325 LED18.1@121.375,-68.325 121.382,-68.332 122.582,-68.332 123.25,-69 C15.2@123.25,-70.5 ; v1(119.425,-11.175) LED2.1@121.375,-11.175 121.675,-11.175 121.875,-11.375 121.875,-11.675 122.5,-12.3 122.5,-26 v1(119.75,-28.75) ; C16.2@121,-42 v1(118.5,-42) 120.55,-39.95 121.175,-39.95 LED1.1@121.375,-39.75 121.675,-39.75 121.875,-39.55 121.875,-39.25 123,-38.125 v1(123,-34) ; -128.75,-13.5 -128.75,-39 -128,-39.75
WS2812: LED1.4 U1.30 | length 150.4
  Top Layer w0.5: v1(-10.048,-40.298) -10.048,-41.702 -8.5,-43.25 125,-43.25 v1(126.263,-41.987)
  Bottom Layer w0.25: v1(-10.048,-40.298) -10.048,-40.163 -10.5,-39.711 -10.5,-33.522 -10,-33.022 U1.30@-10,-31.475
  Bottom Layer w0.5: v1@126.25,-42 v1(126.263,-41.987) 126.275,-41.975 LED1.4@126.275,-39.75
pads on no net: J1.4 LED18.2 S1.10 S1.11 S1.12 S2.10 S2.11 S2.12 S3.10 S3.11 S3.12 S4.10 S4.11 S4.12 S5.10 S5.11 S5.12 S6.10 S6.11 S6.12 S7.10 S7.11 S7.12 S8.10 S8.11 S8.12 S9.10 S9.11 S9.12 S10.10 S10.11 S10.12 S11.10 S11.11 S11.12 S12.10 S12.11 S12.12 S13.10 S13.11 S13.12 S14.10 S14.11 S14.12 S15.10 S15.11 S15.12 S16.10 S16.11 S16.12 S17.10 S17.11 S17.12 S18.10 S18.11 S18.12 S19.10 S19.11 S19.12 S20.10 S20.11 S20.12 S21.10 S21.11 S21.12 S22.10 S22.11 S22.12 S23.10 S23.11 S23.12 S24.10 S24.11 S24.12 S25.10 S25.11 S25.12 S26.10 S26.11 S26.12 S27.10 S27.11 S27.12 S28.10 S28.11 S28.12 S29.10 S29.11 S29.12 S30.10 S30.11 S30.12 S31.10 S31.11 S31.12 S32.10 S32.11 S32.12 S33.10 S33.11 S33.12 S34.10 S34.11 S34.12 S35.10 S35.11 S35.12 S36.10 S36.11 S36.12 S37.10 S37.11 S37.12 S38.10 S38.11 S38.12 S39.10 S39.11 S39.12 S40.10 S40.11 S40.12 S41.10 S41.11 S41.12 S42.10 S42.11 S42.12 S43.10 S43.11 S43.12 S44.10 S44.11 S44.12 S45.10 S45.11 S45.12 S46.10 S46.11 S46.12 S47.10 S47.11 S47.12 S48.10 S48.11 S48.12 S49.10 S49.11 S49.12 S50.10 S50.11 S50.12 S51.10 S51.11 S51.12 S52.10 S52.11 S52.12 S53.10 S53.11 S53.12 S54.10 S54.11 S54.12 S55.10 S55.11 S55.12 S56.10 S56.11 S56.12 S57.10 S57.11 S57.12 S58.10 S58.11 S58.12 S59.10 S59.11 S59.12 S60.10 S60.11 S60.12 S61.10 S61.11 S61.12 S62.10 S62.11 S62.12 S63.10 S63.11 S63.12 S64.10 S64.11 S64.12 S64.13 S64.14 S65.10 S65.11 S65.12 S66.10 S66.11 S66.12 S67.10 S67.11 S67.12 S68.10 S68.11 S68.12 S68.13 S68.14 S69.10 S69.11 S69.12 S70.10 S70.11 S70.12 S71.10 S71.11 S71.12 S72.1 S72.4 U1.18 U1.29 U1.31 U1.33

## Polygon pours and split planes (outlines as drawn)
GND on Top Layer "NONET_L-01_P-001" (solid, pour order 0): 4.825,-29.175 4.825,-24.575 4,-23.75 -3.25,-23.75 -5,-22 -7.25,-22 -7.75,-21.5 -7.75,-19 -11,-19 -11.75,-19.75 -11.75,-22.5 -16.25,-22.5 -18.5,-24.75 -18.5,-30.75 -18.25,-31 -13.75,-31 -13.5,-31.25 -13.5,-33.25 -12.75,-34 -5.75,-34 -4.5,-32.75 -2.25,-32.75 -0.25,-30.75 3.25,-30.75

## Other copper
Top Layer:
  rectangle net GND: -10.5,2.7 10.5,8.3
  rectangle net GND: -4.25,3.25 4.25,9.25
  rectangle net GND: -11.75,-30.75 -6.75,-25.75
Bottom Layer:
  rectangle net GND: -10.5,2.75 -3.5,8.25
  rectangle net GND: 3.25,2.75 10.5,8.25
  text "by tszaboo" at 8.5,-44.25 h1.2

## Silkscreen, mask and mechanical layers (free items; w line width, h text height)
Bottom Overlay:
  circle w0.2: c59.563,-67.945 r2.6
  circle w0.2: c35.687,-67.945 r2.6
  circle w0.2: c-35.687,-67.945 r2.6
  circle w0.2: c-59.563,-67.945 r2.6
  lines w0.2: -61.791,-84.525 cw(c-59.563,-83.185) -57.321,-84.502 ; -37.915,-84.525 cw(c-35.687,-83.185) -33.445,-84.502 ; -13.75,-13.5 -10.5,-13.5 ; -12.25,-9 -10.75,-9 ; 33.459,-84.525 cw(c35.687,-83.185) 37.929,-84.502 ; 57.335,-84.525 cw(c59.563,-83.185) 61.805,-84.502
  lines w0.254: -68.5,-49.5 -68.5,-41.5 ; -3.2,-23.9 -3.2,-22.8 ; -96.5,-49.5 -115.25,-49.5 -115.25,-41.5 -96.5,-41.5 ; -96.5,-49.5 -96.5,-41.5 ; -96.5,-49.5 -83,-49.5 -83,-41.5 -96.5,-41.5 ; -43,-49.5 -59.5,-49.5 -59.5,-41.5 -43,-41.5 ; -43,-49.5 -43,-41.5 ; -43,-49.5 -34.5,-49.5 -34.5,-41.5 -43,-41.5 ; -82.5,-49.5 -60,-49.5 -60,-41.5 -82.5,-41.5 -82.5,-49.5
  text "Ortho4Exent" at 94.5,-46.317 h10
  text "LED1-LED18 / S72 / U1 / Y1" at -83.5,-48.989 h2.5
  text "WS2812B / 434153017835 / ATMEGA32U4-MU / 830055951" at -97,-49.141 h2.5
  text "D1-D71 / J1 / R1, R2 / R3, R4" at -35,-49.293 h2.5
  text "1N4148WS / 513870530 / RES 22R 0603 / RES 4.7K 0402" at -43.5,-49.303 h2.5
  text "0402 1µF / 0805 10µF / 0402 10pF / 0402 100nF" at -69.5,-49.5 h2.5
  text "C1 / C2 / C3, C4 / C5-C29" at -60.5,-49.5 h2.5
Mechanical 1:
  the board outline again, w0.2
Mounting plate cutout:
  drawing of 166 lines, arcs and shapes, not listed
Original plate:
  drawing of 797 lines, arcs and shapes, not listed
  text "14" at -145.52,36.412 h3.5
  text "120" at -174.512,-41.979 h3.5 r90
  text "320" at -3.879,-103.588 h3.5
NOT USED original holes:
  drawing of 710 lines, arcs and shapes, not listed

## Dimensions
-114.3,0 to -95.25,0 on Dimensions
-148.775,-85.097 to -148.775,8.9 on Dimensions
-151.775,-82.098 to 151.775,-82.097 on Dimensions

## Text inside footprints (layer, text, board x,y; h text height)
P1: Bottom Overlay "1" at 26.9,-46.7 h1.02 r180; Bottom Overlay "6" at 34.8,-49.3 h1.02 r180; Bottom Overlay "2" at 26.6,-49.24 h1.02 r180; Bottom Overlay "5" at 34.8,-46.76 h1.02 r180